# KiCad board PieBoard.kicad_pcb (continued)
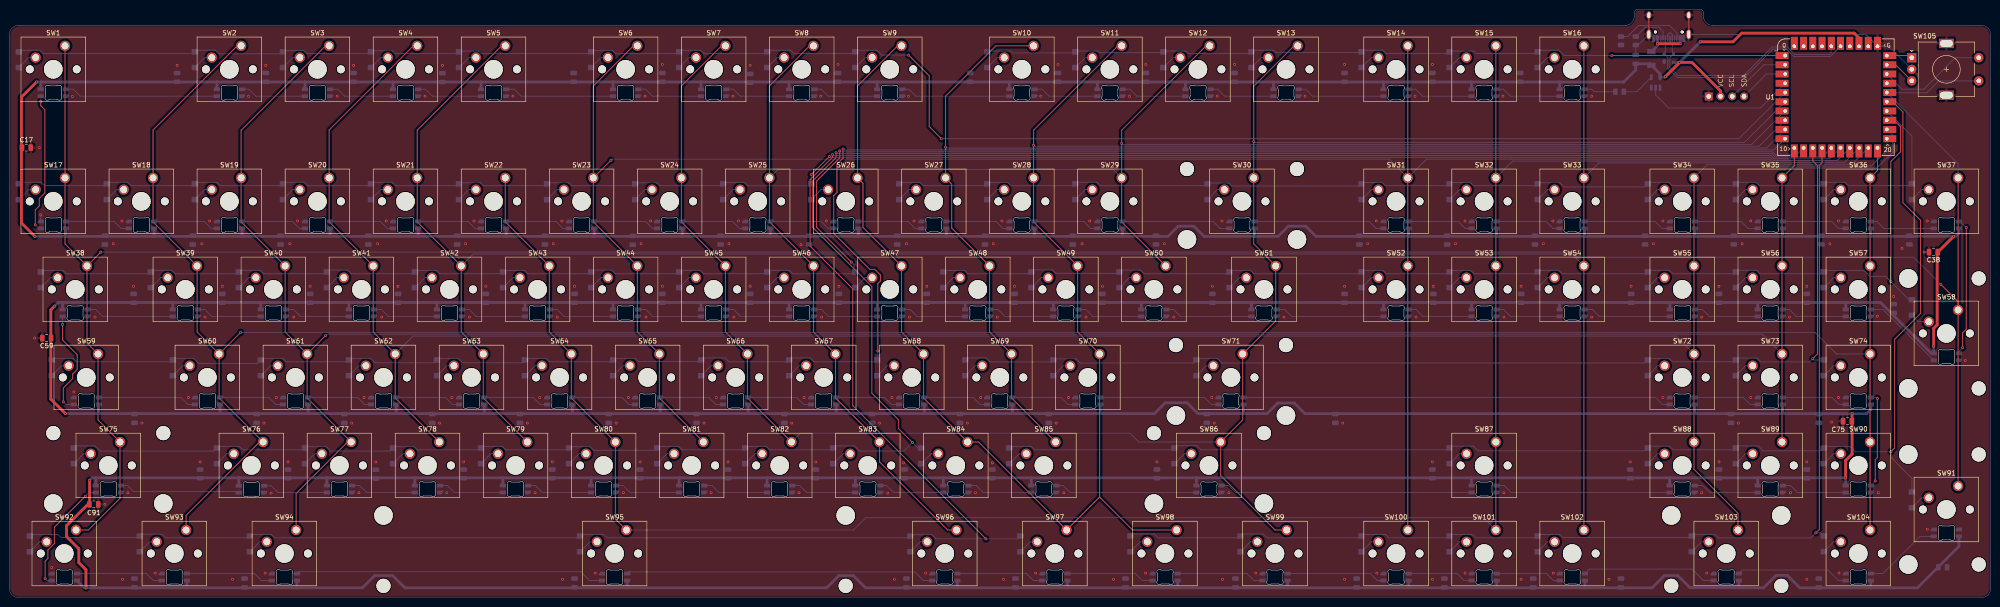
[diagram p0: board, top side]
## Routing (per net, layer and track width the routed paths; a pad name or vN(x,y) marks a point on that pad's centre or on a via; arc(x,y) is an arc through that point) (continued)
VBUS: length 9.3
  Top w0.6: v1(356.6,119.9) 356.6,119.9 v1(361.5,119.9)
  Bottom w0.6: v1(361.5,119.9) J1.A9 ; F1.1 356.6,119.5 v1(356.6,119.9) 356.6,120.98 J1.A4
CC1: length 15
  Bottom w0.2: R2.2 350.12,121.44 352.52,123.84 359.16,123.84 360.8,122.2 J1.B5
CC2: length 8.6
  Bottom w0.2: J1.A5 357.8,122.5 356.86,123.44 353.91,123.44 R1.2
COL1: length 620.6
  Top w0.2: SW37.1 SW58.1 ; SW58.1 421.64,64.06 417.91,67.79 v1(417.91,67.8) ; SW58.1 SW91.1 ; SW38.1 12.07,76.57 SW17.1 SW1.1 12.46,119.43 ; SW38.1 v1(19.82,74.8) ; SW38.1 16.83,55.14 SW59.1 19.21,38.47 SW75.1 23.97,21.54 17.09,14.66 SW92.1 14.45,15.82
  Bottom w0.2: v1(417.91,67.8) 417.9,67.8 412.02,73.68 339.37,73.68 338.25,74.8 v1(19.82,74.8) ; U1.26 421.64,93.89 SW37.1
COL2: length 574.1
  Top w0.2: SW93.1 38.26,17.82 54.14,33.7 SW76.1 45.4,43.23 SW60.1 ; U1.20 404.2,92.47 SW36.1 SW57.1 SW74.1 SW90.1 SW104.1 ; SW60.1 40.64,57.52 SW39.1 31.11,81.33 SW18.1 31.11,101.22 49.32,119.43 SW2.1 ; SW60.1 v1(50.06,57.41)
  Bottom w0.2: SW74.1 395.34,52.75 390.69,57.41 v1(50.06,57.41)
COL3: length 515.1
  Top w0.2: SW3.1 68.43,119.43 50.17,101.16 SW19.1 50.17,81.33 SW40.1 59.69,57.52 SW61.1 ; SW61.1 64.45,43.23 SW77.1 73.19,33.7 62.07,22.58 SW94.1 ; SW61.1 v1(68.4,56.71) ; SW89.1 SW73.1 SW56.1 SW35.1 386.2,93.52 U1.11
  Bottom w0.2: v1(68.4,56.71) 68.71,57.01 379.28,57.01 SW73.1
COL4: length 519.6
  Top w0.2: SW103.1 374.01,18.28 364.49,27.81 SW88.1 SW72.1 SW55.1 SW34.1 ; SW4.1 87.42,119.43 69.22,101.22 SW20.1 69.22,81.33 SW41.1 78.74,57.52 SW62.1 83.5,43.23 SW78.1
  Bottom w0.2: U1.22 407.5,100.03 407.5,96.44 404.06,93 381,93 380.3,93.7 367.33,93.7 SW34.1 ; SW62.1 87.36,56.61 360.63,56.61 SW72.1
COL5: length 524.9
  Top w0.2: SW5.1 106.53,119.43 88.27,101.16 SW21.1 88.27,81.33 SW42.1 97.79,57.52 SW63.1 102.55,43.23 SW79.1 ; SW16.1 SW33.1 SW54.1 SW102.1
  Bottom w0.2: U1.21 406.2,96.79 402.81,93.4 382.1,93.4 382.1,93.4 381.17,93.4 381.11,93.46 381.11,93.46 380.47,94.1 343.92,94.1 SW33.1 ; SW54.1 338.08,74.4 100.39,74.4 SW42.1
COL6: length 466
  Top w0.2: SW22.1 107.31,81.33 SW43.1 116.84,57.52 SW64.1 121.6,43.23 SW80.1 131.13,17.04 SW95.1 ; SW15.1 SW32.1 SW53.1 SW87.1 SW101.1
  Bottom w0.2: SW95.1 182.66,14.66 185.33,17.33 318.95,17.33 SW101.1 ; SW22.1 107.31,90.88 ; SW32.1 325.27,94.5 343.76,94.5 343.76,94.5 380.63,94.5 381.27,93.86 381.28,93.86 381.34,93.8 398.67,93.8 U1.19
COL7: length 485.2
  Top w0.2: SW14.1 SW31.1 SW52.1 SW100.1 ; SW23.1 126.37,81.33 SW44.1 135.89,57.52 SW65.1 140.65,43.23 SW81.1 ; SW23.1 v1(130.18,94.66) ; SW23.1 126.37,110.75 135.05,119.43 SW6.1
  Bottom w0.2: U1.18 397.07,94.2 381.51,94.2 381.44,94.27 381.44,94.27 380.81,94.9 325.11,94.9 325.11,94.9 306.62,94.9 SW31.1 298.53,94.9 130.41,94.9 v1(130.18,94.66)
COL8: length 436.7
  Top w0.2: SW99.1 273.86,14.66 262.1,26.42 SW86.1 266.86,38.47 SW71.1 274,59.9 SW51.1 269.24,76.57 SW30.1 v1(269.24,98.71) 269.24,110.69 277.98,119.43 SW13.1 ; SW82.1 159.7,43.23 SW66.1 154.94,57.52 SW45.1 145.41,81.33 SW24.1 145.41,110.75 154.1,119.43 SW7.1 154.99,119.38
  Bottom w0.2: SW82.1 171.12,35.6 242.47,35.6 244.37,33.7 SW86.1 ; v1(269.24,98.71) 269.44,98.51 375.38,98.51 U1.6
COL9: length 411.3
  Top w0.2: SW8.1 173.15,119.43 164.47,110.75 SW25.1 164.47,81.33 SW46.1 173.99,57.52 SW67.1 178.75,43.23 SW83.1 188.28,29.42 203.04,14.66 SW96.1 ; SW12.1 258.93,119.43 240.66,101.16 v1(240.66,98.31) SW29.1 240.66,81.33 SW50.1
  Bottom w0.2: SW25.1 166.3,92.69 238.83,92.69 SW29.1 ; U1.7 376.98,98.11 240.86,98.11 v1(240.66,98.31)
COL10: length 436
  Top w0.2: 235.9,21.8 243.05,14.66 SW98.1 ; 235.9,21.8 SW97.1 209.71,33.7 SW84.1 197.8,43.23 SW68.1 193.04,57.52 SW47.1 184.7,80.14 184.7,89.67 SW26.1 183.52,110.75 192.2,119.43 SW9.1 ; 235.9,21.8 SW70.1 231.14,57.52 SW49.1 221.62,81.33 SW28.1 v1(221.62,97.91) 221.62,101.16 239.88,119.43 SW11.1
  Bottom w0.2: v1(221.62,97.91) 221.81,97.71 378.58,97.71 U1.8
COL11: length 291.6
  Top w0.2: SW85.1 216.85,43.23 SW69.1 212.09,57.52 SW48.1 203.9,80 203.9,89.53 SW27.1 v1(202.56,97.5) 202.56,108.53 213.47,119.43 SW10.1
  Bottom w0.2: v1(202.56,97.5) 202.76,97.31 221.37,97.31 221.37,97.31 221.86,97.31 221.86,97.31 380.18,97.31 U1.9
Encoder_Push_A: length 21.8
  Bottom w0.2: U1.27 408.26,109.27 414.88,109.27 417.46,111.85 SW105.S1
Encoder_Push_B: length 24.1
  Bottom w0.2: U1.28 409.49,110.04 414.21,110.04 421.02,116.85 SW105.S2
Encoder_Rotate_A: length 5.6
  Top w0.2: SW105.A 411.12,117.33 U1.30
  Bottom w0.2: 406.68,116.85 U1.30
Encoder_Rotate_B: length 6.9
  Top w0.2: 411.08,111.33 SW105.B 408.12,115.33 U1.29
OLED_SCL: length 14.3
  Bottom w0.2: U1.2 379.61,115.33 J3.3
OLED_SDA: length 10.9
  Bottom w0.2: U1.3 380.15,113.33 J3.4
ROW1: length 405.3
  Top w0.2: v1(194.57,117.42) 199.04,112.95 199.04,101.97 v1(201.66,99.34)
  Bottom w0.2: U1.5 374.21,99.34 v1(201.66,99.34) ; v1(194.57,117.42) 188.79,117.42 187.74,118.47 183.41,118.47 182.68,117.75 169.74,117.75 169.01,118.47 164.35,118.47 163.62,117.75 150.35,117.75 149.62,118.47 145.31,118.47 144.58,117.75 131.21,117.75 130.55,118.4 126.18,118.4 125.53,117.75 102.09,117.75 101.55,118.29 97.5,118.29 96.95,117.75 83.45,117.75 82.85,118.35 78.51,118.35 77.9,117.75 64.36,117.75 63.7,118.4 59.51,118.4 58.81,117.7 45.34,117.7 44.57,118.47 40.53,118.47 39.8,117.75 7.36,117.75 6.65,118.45 2.41,118.45 2.07,118.11
ROW2: length 406.4
  Top w0.2: v1(177.44,95.5) v1(173.52,91.58)
  Bottom w0.2: v1(177.44,95.5) 177.64,95.3 380.98,95.3 381.67,94.6 395.47,94.6 U1.17 ; 2.07,89.53 2.43,89.9 6.85,89.9 7.58,89.17 20.75,89.17 21.48,89.9 25.65,89.9 26.38,89.17 39.8,89.17 40.48,89.85 44.95,89.85 45.63,89.17 58.85,89.17 59.58,89.9 63.85,89.9 64.58,89.17 77.9,89.17 78.63,89.9 82.85,89.9 83.58,89.17 96.95,89.17 97.58,89.8 101.95,89.8 102.58,89.17 116,89.17 116.63,89.8 121.05,89.8 121.68,89.17 135.05,89.17 135.68,89.8 140.1,89.8 140.73,89.17 154.1,89.17 154.78,89.85 159.1,89.85 159.8,89.15 173.13,89.15 173.52,89.53 v1(173.52,91.58)
ROW3: length 422.9
  Top w0.2: v1(182.17,72.65) 174.65,80.17 174.65,90.15 179.67,95.17 v1(179.67,96.7)
  Bottom w0.2: v1(179.67,96.7) 179.87,96.5 201.41,96.5 201.41,96.5 201.9,96.5 201.9,96.5 202.15,96.5 202.15,96.5 202.98,96.5 202.98,96.5 221.03,96.5 221.03,96.5 222.2,96.5 222.2,96.5 381.47,96.5 382.17,95.81 386.68,95.81 U1.12 ; 6.83,70.48 7.14,70.8 11.65,70.8 12.33,70.12 30.28,70.12 31,70.85 35.17,70.85 35.92,70.1 49.31,70.1 50.06,70.85 54.35,70.85 55.08,70.12 68.38,70.12 69.16,70.9 73.2,70.9 73.98,70.12 87.42,70.12 88.11,70.8 92.5,70.8 93.18,70.12 106.47,70.12 107.16,70.8 111.55,70.8 112.23,70.12 125.53,70.12 126.31,70.9 130.36,70.9 131.14,70.12 144.58,70.12 145.31,70.85 149.55,70.85 150.28,70.12 163.62,70.12 164.35,70.85 168.75,70.85 169.48,70.12 182.68,70.12 183.04,70.48 182.79,70.73 182.79,72.03 v1(182.17,72.65)
ROW4: length 441.3
  Top w0.2: v1(187.91,53.41) 187.91,67.98 188.48,68.55 188.48,69.83 187.24,71.07 186.16,71.07 178.38,78.85 178.38,87 179.08,87.7 179.08,93.83 180.4,95.15 v1(180.4,97.1)
  Bottom w0.2: v1(180.4,97.1) 180.6,96.9 201.74,96.9 201.74,96.91 202.32,96.91 202.32,96.9 202.81,96.9 202.81,96.91 221.2,96.91 221.2,96.9 222.03,96.9 222.03,96.91 381.77,96.91 U1.10 ; 9.21,51.44 9.57,51.8 13.83,51.8 14.56,51.07 35.04,51.07 35.77,51.8 39.9,51.8 41,50.7 53.72,50.7 54.82,51.8 59.2,51.8 59.93,51.07 73.14,51.07 73.87,51.8 78.2,51.8 79.15,50.85 91.97,50.85 92.92,51.8 97.15,51.8 98.1,50.85 111.02,50.85 111.92,51.75 116.2,51.75 116.88,51.07 130.29,51.07 131.02,51.8 135.45,51.8 136.1,51.15 149.42,51.15 150.17,51.9 154.87,51.9 155.7,51.07 168.39,51.07 169.22,51.9 173.32,51.9 174.15,51.07 187.44,51.07 187.91,51.54 v1(187.91,53.41)
ROW5: length 480.8
  Top w0.2: v1(195.4,33.6) 192.41,36.59 192.41,38.49 186.62,44.28 186.62,67.35 173.85,80.12 173.85,90.2 178.89,95.24 v1(178.89,96.3)
  Bottom w0.2: v1(178.89,96.3) 178.9,96.3 179.1,96.1 200.08,96.1 200.58,96.1 200.58,96.1 201.24,96.1 220.87,96.1 381.31,96.1 382.01,95.41 392.28,95.41 U1.15 ; 197.33,32.39 196.62,32.39 v1(195.4,33.6) 193.55,31.75 183.95,31.75 182.85,32.85 178.74,32.85 177.91,32.02 164.52,32.02 163.79,32.75 159.59,32.75 158.86,32.02 145.58,32.02 144.85,32.75 140.54,32.75 139.69,31.9 126.45,31.9 125.65,32.7 121.44,32.7 120.76,32.02 107.43,32.02 106.7,32.75 102.44,32.75 101.71,32.02 88.28,32.02 87.6,32.7 83.34,32.7 82.39,31.75 69.55,31.75 68.6,32.7 64.29,32.7 63.61,32.02 50.53,32.02 49.8,32.75 45.29,32.75 44.29,31.75 19.69,31.75 18.58,32.85 14.44,32.85 13.97,32.39
ROW6: length 537.8
  Top w0.2: v1(178.13,95.91) 178.13,95.33 173.26,90.46 173.26,76.09 182.49,66.86 182.49,41.56 211.3,12.75 v1(211.3,12.75)
  Bottom w0.2: 218.76,13.34 218.17,12.75 v1(211.3,12.75) 200.5,12.75 199.6,13.65 195.26,13.65 194.58,12.97 129.33,12.97 128.6,13.7 123.87,13.7 123.14,12.97 57.46,12.97 56.73,13.7 52.44,13.7 51.71,12.97 33.86,12.97 33.08,13.75 28.67,13.75 27.97,13.05 11.2,13.05 10.55,13.7 4.81,13.7 4.45,13.34 ; U1.16 393.88,95 381.84,95 381.14,95.7 178.34,95.7 v1(178.13,95.91)
ROW7: length 175.1
  Top w0.2: v1(346.72,117.33) 383.55,117.33
  Bottom w0.2: v1(346.72,117.33) 336.42,117.33 335.27,118.47 331.04,118.47 330.7,118.13 D16.1 330.68,118.11 330.31,117.75 317.4,117.75 316.86,118.29 311.79,118.29 D15.1 311.63,118.11 311.26,117.75 297.9,117.75 297.17,118.47 292.92,118.47 D14.1 292.58,118.11 292.47,118 273.95,118 273.47,118.47 269.13,118.47 268.4,117.75 255.1,117.75 254.56,118.29 249.9,118.29 249.55,117.95 235.9,117.95 235.56,118.29 230.85,118.29 230.46,117.9 217.05,117.9 216.66,118.29 211.8,118.29 211.62,118.11
ROW8: length 243.1
  Bottom w0.2: D37.1 411.64,99.89 U1.24 ; 192.56,89.53 192.88,89.85 197.1,89.85 197.78,89.17 211.25,89.17 211.93,89.85 216.05,89.85 216.73,89.17 230.3,89.17 231.03,89.9 235.3,89.9 236.03,89.17 258.88,89.17 259.45,89.75 263.85,89.75 264.5,89.1 292.14,89.1 292.89,89.85 297,89.85 297.68,89.17 311.26,89.17 311.94,89.85 316.09,89.85 316.77,89.17 330.31,89.17 330.94,89.8 335.5,89.8 336.4,88.9 353.85,88.9 354.85,89.9 359.05,89.9 359.78,89.17 373.17,89.17 373.9,89.9 377.95,89.9 378.68,89.17 392.22,89.17 392.95,89.9 397.2,89.9 397.93,89.17 411.27,89.17 411.64,89.53
ROW9: length 254.9
  Top w0.2: U1.23 407.78,103.33 409.18,101.93 409.18,96.51 407.09,94.42 v1(407.09,68.41)
  Bottom w0.2: 411.65,64.48 411.02,64.48 v1(407.09,68.41) 405.95,69.55 402.55,69.55 401.3,70.8 392.9,70.8 392.22,70.12 378.78,70.12 378.05,70.85 373.9,70.85 373.17,70.12 359.93,70.12 359.2,70.85 354.85,70.85 354.12,70.12 335.98,70.12 335.25,70.85 331.04,70.85 330.31,70.12 316.88,70.12 316.2,70.8 311.94,70.8 311.26,70.12 297.93,70.12 297.25,70.8 292.89,70.8 292.21,70.12 269.28,70.12 268.6,70.8 264.32,70.8 263.64,70.12 245.53,70.12 244.75,70.9 240.6,70.9 239.91,70.2 226.45,70.2 225.7,70.95 221.6,70.95 220.78,70.12 207.43,70.12 206.75,70.8 202.41,70.8 202.09,70.48
ROW10: length 235.4
  Top w0.2: v1(390.2,51.75) 391.2,52.75 391.2,93.53 390.2,94.53 U1.13
  Bottom w0.2: 206.85,51.44 207.32,51.9 211.35,51.9 212.2,51.05 225.52,51.05 226.17,51.7 230.8,51.7 231.7,50.8 256.22,50.8 257.22,51.8 261.4,51.8 262.4,50.8 353.85,50.8 354.85,51.8 359.1,51.8 359.83,51.07 373.17,51.07 373.95,51.85 378.15,51.85 378.95,51.05 389.5,51.05 v1(390.2,51.75) 390.2,51.65 390.41,51.44 392.59,51.44
ROW11: length 287.2
  Top w0.2: v1(407.1,31.6) 407.9,32.4 407.9,55.92 413.5,61.53 413.5,81.7 409.69,85.51 409.69,105.14 407.5,107.33 U1.25
  Bottom w0.2: 216.38,32.39 216.74,32.75 221.15,32.75 221.88,32.02 251.73,32.02 252.61,32.9 256.95,32.9 257.83,32.02 311.26,32.02 312.04,32.8 316.75,32.8 317.75,31.8 353.9,31.8 354.9,32.8 359.2,32.8 359.98,32.02 373.17,32.02 374,32.85 378.4,32.85 379.45,31.8 392,31.8 392.95,32.75 398.2,32.75 399.35,31.6 v1(407.1,31.6) 407.1,30.4 411.64,25.86 411.64,22.86
ROW12: length 237.6
  Top w0.2: v1(390.85,14.05) 390.9,14.05 391.61,14.76 391.61,93.55 392.2,94.15 U1.14
  Bottom w0.2: 242.57,13.34 243.04,13.8 247.75,13.8 248.58,12.97 266.02,12.97 266.85,13.8 271.32,13.8 272.15,12.97 292.21,12.97 292.94,13.7 297.7,13.7 298.43,12.97 311.26,12.97 311.99,13.7 316.6,13.7 317.33,12.97 330.31,12.97 331.04,13.7 335.5,13.7 336.15,13.05 363.73,13.05 364.38,13.7 369.05,13.7 369.8,12.95 389.75,12.95 v1(390.85,14.05) 391.88,14.05 392.59,13.34
USB_D+: length 50.1
  Bottom w0.2: U1.36 394.2,117.97 393.8,117.56 386.27,117.56 384.65,119.19 381.42,119.19 375.24,113 361.04,113 359.26,114.78 359.26,116.91 360.04,117.69 D105.3 359.8,117.98 J1.B6 359.8,121.9 359.49,122.2 359.11,122.2 358.8,121.88 J1.A6
USB_D-: length 51.4
  Bottom w0.2: U1.35 393.98,117.12 386.09,117.12 384.47,118.73 381.6,118.73 375.42,112.56 360.86,112.56 358.81,114.6 358.81,116.91 358.04,117.69 D105.2 358.3,118 J1.B7 358.3,120.98 ; J1.A7 359.3,120.98 359.3,120.08 358.98,119.76 358.6,119.76 358.3,120.07
Net-(D1-A): length 4.5
  Bottom w0.2: SW1.2 4.2,116.89 2.07,114.75
Net-(D2-A): length 4.5
  Bottom w0.2: 40.17,114.75 42.31,116.89 SW2.2
Net-(D3-A): length 4.5
  Bottom w0.2: 59.22,114.75 61.36,116.89 SW3.2
Net-(D4-A): length 4.5
  Bottom w0.2: SW4.2 80.41,116.89 78.27,114.75
Net-(D5-A): length 4.5
  Bottom w0.2: SW5.2 99.45,116.89 97.31,114.75
Net-(D6-A): length 4.5
  Bottom w0.2: SW6.2 128.03,116.89 125.89,114.75
Net-(D7-A): length 4.5
  Bottom w0.2: 144.94,114.75 147.08,116.89 SW7.2
Net-(D8-A): length 4.5
  Bottom w0.2: 163.99,114.75 166.13,116.89 SW8.2
Net-(D9-A): length 4.5
  Bottom w0.2: SW9.2 185.18,116.89 183.04,114.75
Net-(D10-A): length 4.5
  Bottom w0.2: 211.62,114.75 213.75,116.89 SW10.2
Net-(D11-A): length 4.5
  Bottom w0.2: SW11.2 232.8,116.89 230.66,114.75
Net-(D12-A): length 4.5
  Bottom w0.2: 249.72,114.75 251.85,116.89 SW12.2
Net-(D13-A): length 4.5
  Bottom w0.2: 268.76,114.75 270.9,116.89 SW13.2
Net-(D14-A): length 4.5
  Bottom w0.2: 292.58,114.75 294.72,116.89 SW14.2
Net-(D15-A): length 4.5
  Bottom w0.2: SW15.2 313.77,116.89 311.63,114.75
Net-(D16-A): length 4.6
  Bottom w0.2: SW16.2 332.82,116.89 330.68,114.75 D16.2
Net-(D17-A): length 4.5
  Bottom w0.2: SW17.2 4.2,88.31 2.07,86.17
Net-(D18-A): length 4.5
  Bottom w0.2: 21.11,86.17 23.25,88.31 SW18.2
Net-(D19-A): length 4.5
  Bottom w0.2: SW19.2 42.31,88.31 40.17,86.17
Net-(D20-A): length 4.5
  Bottom w0.2: SW20.2 61.36,88.31 59.22,86.17
Net-(D21-A): length 4.5
  Bottom w0.2: 78.27,86.17 80.41,88.31 SW21.2
Net-(D22-A): length 4.5
  Bottom w0.2: 97.31,86.17 99.45,88.31 SW22.2
Net-(D23-A): length 4.5
  Bottom w0.2: 116.37,86.17 118.5,88.31 SW23.2
Net-(D24-A): length 4.5
  Bottom w0.2: SW24.2 137.56,88.31 135.41,86.17
Net-(D25-A): length 4.5
  Bottom w0.2: SW25.2 156.6,88.31 154.47,86.17
Net-(D26-A): length 4.5
  Bottom w0.2: 173.52,86.17 175.66,88.31 SW26.2
Net-(D27-A): length 4.5
  Bottom w0.2: SW27.2 194.71,88.31 192.56,86.17
Net-(D28-A): length 4.5
  Bottom w0.2: SW28.2 213.75,88.31 211.62,86.17
Net-(D29-A): length 4.5
  Bottom w0.2: SW29.2 232.8,88.31 230.66,86.17
Net-(D30-A): length 4.5
  Bottom w0.2: 259.24,86.17 261.38,88.31 SW30.2
Net-(D31-A): length 4.5
  Bottom w0.2: SW31.2 294.72,88.31 292.58,86.17
Net-(D32-A): length 4.5
  Bottom w0.2: SW32.2 313.77,88.31 311.63,86.17
Net-(D33-A): length 4.5
  Bottom w0.2: 330.68,86.17 332.82,88.31 SW33.2
Net-(D34-A): length 4.5
  Bottom w0.2: 358.14,88.31 356.63,88.31 354.49,86.17
Net-(D35-A): length 4.8
  Bottom w0.2: 373.54,86.17 375.68,88.31 SW35.2 377.38,88.13
Net-(D36-A): length 4.5
  Bottom w0.2: SW36.2 394.73,88.31 392.59,86.17
Net-(D37-A): length 4.5
  Bottom w0.2: 411.64,86.17 413.78,88.31 SW37.2
Net-(D38-A): length 4.5
  Bottom w0.2: SW38.2 8.97,69.27 6.83,67.12
Net-(D39-A): length 4.5
  Bottom w0.2: 30.64,67.12 32.78,69.27 SW39.2
Net-(D40-A): length 4.5
  Bottom w0.2: SW40.2 51.83,69.27 49.69,67.12
Net-(D41-A): length 4.5
  Bottom w0.2: 68.74,67.12 70.88,69.27 72.39,69.27
Net-(D42-A): length 4.5
  Bottom w0.2: 87.79,67.12 89.93,69.27 SW42.2
Net-(D43-A): length 4.5
  Bottom w0.2: 106.84,67.12 108.98,69.27 SW43.2
Net-(D44-A): length 4.5
  Bottom w0.2: SW44.2 128.03,69.27 125.89,67.12
Net-(D45-A): length 4.5
  Bottom w0.2: SW45.2 147.08,69.27 144.94,67.12
Net-(D46-A): length 4.5
  Bottom w0.2: SW46.2 166.13,69.27 163.99,67.12
Net-(D47-A): length 4.5
  Bottom w0.2: SW47.2 185.18,69.27 183.04,67.12
Net-(D48-A): length 4.5
  Bottom w0.2: SW48.2 204.23,69.27 202.09,67.12
Net-(D49-A): length 4.5
  Bottom w0.2: 221.14,67.12 223.28,69.27 224.79,69.27
Net-(D50-A): length 4.5
  Bottom w0.2: 240.19,67.12 242.33,69.27 SW50.2
Net-(D51-A): length 4.5
  Bottom w0.2: SW51.2 266.14,69.27 264,67.12
Net-(D52-A): length 4.5
  Bottom w0.2: SW52.2 294.72,69.27 292.58,67.12
Net-(D53-A): length 4.5
  Bottom w0.2: SW53.2 313.77,69.27 311.63,67.12
Net-(D54-A): length 4.5
  Bottom w0.2: 330.68,67.12 332.82,69.27 SW54.2
Net-(D55-A): length 4.5
  Bottom w0.2: 354.49,67.12 356.63,69.27 358.14,69.27
Net-(D56-A): length 4.5
  Bottom w0.2: 373.54,67.12 375.68,69.27 SW56.2
Net-(D57-A): length 4.5
  Bottom w0.2: 392.59,67.12 394.73,69.27 SW57.2
Net-(D58-A): length 4.2
  Bottom w0.2: SW58.2 413.03,59.74 411.65,61.12
Net-(D59-A): length 4.5
  Bottom w0.2: 9.21,48.08 11.35,50.22 SW59.2
Net-(D60-A): length 4.5
  Bottom w0.2: SW60.2 37.54,50.22 35.4,48.08
Net-(D61-A): length 4.5
  Bottom w0.2: SW61.2 56.59,50.22 54.45,48.08
Net-(D62-A): length 4.5
  Bottom w0.2: 73.5,48.08 75.64,50.22 SW62.2
Net-(D63-A): length 4.5
  Bottom w0.2: 92.55,48.08 94.69,50.22 SW63.2
Net-(D64-A): length 4.5
  Bottom w0.2: 111.6,48.08 113.74,50.22 SW64.2
Net-(D65-A): length 4.5
  Bottom w0.2: SW65.2 132.79,50.22 130.65,48.08
Net-(D66-A): length 4.5
  Bottom w0.2: 149.7,48.08 151.84,50.22 SW66.2
Net-(D67-A): length 4.5
  Bottom w0.2: SW67.2 170.89,50.22 168.75,48.08
Net-(D68-A): length 4.5
  Bottom w0.2: SW68.2 189.94,50.22 187.8,48.08
Net-(D69-A): length 4.5
  Bottom w0.2: SW69.2 208.99,50.22 206.85,48.08
Net-(D70-A): length 4.5
  Bottom w0.2: 225.9,48.08 228.04,50.22 SW70.2
Net-(D71-A): length 4.5
  Bottom w0.2: SW71.2 259,50.22 256.86,48.08
Net-(D72-A): length 4.5
  Bottom w0.2: 354.49,48.08 356.63,50.22 358.14,50.22
Net-(D73-A): length 4.5
  Bottom w0.2: 373.54,48.08 375.68,50.22 SW73.2
Net-(D74-A): length 5.4
  Top w0.2: 396.88,49.58 SW74.2
  Bottom w0.2: SW74.2 394.73,50.22 392.59,48.08
Net-(D75-A): length 4.5
  Bottom w0.2: 13.97,29.03 16.11,31.17 17.62,31.17
Net-(D76-A): length 4.5
  Bottom w0.2: 48.58,31.17 47.07,31.17 44.93,29.03
Net-(D77-A): length 4.5
  Bottom w0.2: 63.98,29.03 66.12,31.17 67.63,31.17
Net-(D78-A): length 4.5
  Bottom w0.2: 83.03,29.03 85.17,31.17 86.68,31.17
Net-(D79-A): length 4.5
  Bottom w0.2: 105.73,31.17 104.22,31.17 102.08,29.03
Net-(D80-A): length 4.5
  Bottom w0.2: 121.13,29.03 123.27,31.17 124.78,31.17
Net-(D81-A): length 4.5
  Bottom w0.2: 143.83,31.17 142.32,31.17 140.18,29.03
Net-(D82-A): length 4.5
  Bottom w0.2: 162.88,31.17 161.37,31.17 159.23,29.03
Net-(D83-A): length 4.5
  Bottom w0.2: 181.93,31.17 180.42,31.17 178.28,29.03
Net-(D84-A): length 4.5
  Bottom w0.2: 197.33,29.03 199.47,31.17 200.98,31.17
Net-(D85-A): length 4.5
  Bottom w0.2: 216.38,29.03 218.52,31.17 220.03,31.17
Net-(D86-A): length 4.5
  Bottom w0.2: 255.75,31.17 254.24,31.17 252.1,29.03
Net-(D87-A): length 4.5
  Bottom w0.2: 315.28,31.17 313.77,31.17 311.63,29.03
Net-(D88-A): length 4.5
  Bottom w0.2: 358.14,31.17 356.63,31.17 354.49,29.03
Net-(D89-A): length 4.5
  Bottom w0.2: 373.54,29.03 375.68,31.17 377.19,31.17
Net-(D90-A): length 4.5
  Bottom w0.2: 396.24,31.17 394.73,31.17 392.59,29.03
Net-(D91-A): length 4.5
  Bottom w0.2: SW91.2 413.78,21.64 411.64,19.5
Net-(D92-A): length 4.5
  Bottom w0.2: SW92.2 6.59,12.12 4.45,9.97
Net-(D93-A): length 4.5
  Bottom w0.2: SW93.2 30.4,12.12 28.26,9.97
Net-(D94-A): length 4.5
  Bottom w0.2: SW94.2 54.21,12.12 52.07,9.97
Net-(D95-A): length 4.5
  Bottom w0.2: 123.51,9.97 125.65,12.12 SW95.2
Net-(D96-A): length 4.5
  Bottom w0.2: SW96.2 197.09,12.12 194.95,9.97
Net-(D97-A): length 4.5
  Bottom w0.2: SW97.2 220.9,12.12 218.76,9.97
Net-(D98-A): length 4.5
  Bottom w0.2: 242.57,9.97 244.71,12.12 SW98.2
Net-(D99-A): length 4.5
  Bottom w0.2: 266.38,9.97 268.52,12.12 SW99.2
Net-(D100-A): length 4.5
  Bottom w0.2: 292.58,9.97 294.72,12.12 SW100.2
Net-(D101-A): length 4.5
  Bottom w0.2: SW101.2 313.77,12.12 311.63,9.97
Net-(D102-A): length 4.5
  Bottom w0.2: SW102.2 332.82,12.12 330.68,9.97
Net-(D103-A): length 4.5
  Bottom w0.2: 364.01,9.97 366.15,12.12 SW103.2
Net-(D104-A): length 4.5
  Bottom w0.2: SW104.2 394.73,12.12 392.59,9.97
Net-(LED1-DOUT): length 14.2
  Bottom w0.2: LED1.2 324.76,108.53 323.26,110.03 LED2.4
Net-(LED2-DOUT): length 14.2
  Bottom w0.2: LED3.4 304.26,110.03 305.76,108.53 LED2.2
Net-(LED3-DOUT): length 19
  Bottom w0.2: LED4.4 280.46,110.03 281.96,108.53 LED3.2
Net-(LED4-DOUT): length 14.2
  Bottom w0.2: LED5.4 261.46,110.03 262.96,108.53 LED4.2
Net-(LED5-DOUT): length 14.2
  Bottom w0.2: LED5.2 243.97,108.53 242.47,110.03 LED6.4
Net-(LED6-DOUT): length 14.2
  Bottom w0.2: LED6.2 224.97,108.53 223.47,110.03 LED7.4
Net-(LED7-DOUT): length 23.8
  Bottom w0.2: LED8.4 194.67,110.03 196.16,108.53 LED7.2
Net-(LED8-DOUT): length 14.2
  Bottom w0.2: LED9.4 175.67,110.03 177.17,108.53 LED8.2
Net-(LED10-DIN): length 14.2
  Bottom w0.2: LED9.2 158.17,108.53 156.66,110.03 LED10.4
Net-(LED10-DOUT): length 14.2
  Bottom w0.2: LED11.4 137.67,110.03 139.16,108.53 LED10.2
Net-(LED11-DOUT): length 23.7
  Bottom w0.2: LED11.2 110.77,108.53 109.27,110.03 LED12.4
Net-(LED12-DOUT): length 14.2
  Bottom w0.2: LED13.4 90.07,110.03 91.56,108.53 LED12.2
Net-(LED13-DOUT): length 14.2
  Bottom w0.2: LED14.4 71.07,110.03 72.57,108.53 LED13.2
Net-(LED14-DOUT): length 14.2
  Bottom w0.2: LED14.2 53.37,108.53 51.87,110.03 LED15.4
Net-(LED15-DOUT): length 33.3
  Bottom w0.2: LED15.2 15.36,108.53 13.86,110.03 LED16.4
Net-(LED16-DOUT): length 30.6
  Top w0.2: v1(5.64,80.68) 5.64,83.94 6.5,84.8 6.5,86.4 7.7,87.6 7.7,105.59 6.82,106.48 v1(6.82,107.4)
  Bottom w0.2: v1(6.82,107.4) LED16.2 ; v1(5.64,80.68) 6.39,79.93 LED17.4
Net-(LED17-DOUT): length 14.2
  Bottom w0.2: LED18.4 24.17,79.93 22.67,81.43 LED17.2
Net-(LED18-DOUT): length 14.2
  Bottom w0.2: LED18.2 42.17,81.43 43.67,79.93 LED19.4
Net-(LED19-DOUT): length 14.2
  Bottom w0.2: LED19.2 61.27,81.43 62.77,79.93 LED20.4
Net-(LED20-DOUT): length 14.2
  Bottom w0.2: LED21.4 81.77,79.93 80.27,81.43 LED20.2
Net-(LED21-DOUT): length 14.2
  Bottom w0.2: LED22.4 100.77,79.93 99.27,81.43 LED21.2
Net-(LED22-DOUT): length 14.2
  Bottom w0.2: LED22.2 118.27,81.43 119.77,79.93 LED23.4
Net-(LED23-DOUT): length 14.2
  Bottom w0.2: LED24.4 139.17,79.93 137.67,81.43 LED23.2
Net-(LED24-DOUT): length 14.2
  Bottom w0.2: LED25.4 157.97,79.93 156.47,81.43 LED24.2
Net-(LED25-DOUT): length 14.2
  Bottom w0.2: LED25.2 175.67,81.43 177.17,79.93 LED26.4
Net-(LED26-DOUT): length 14.2
  Bottom w0.2: LED26.2 194.47,81.43 195.97,79.93 LED27.4
Net-(LED27-DOUT): length 14.2
  Bottom w0.2: LED27.2 213.47,81.43 214.97,79.93 LED28.4
Net-(LED28-DOUT): length 14.2
  Bottom w0.2: LED29.4 233.97,79.93 232.47,81.43 LED28.2
Net-(LED29-DOUT): length 23.7
  Bottom w0.2: LED29.2 260.45,81.43 261.95,79.93 LED30.4
Net-(LED30-DOUT): length 28.5
  Bottom w0.2: LED31.4 295.73,79.93 294.23,81.43 LED30.2
Net-(LED31-DOUT): length 14.2
  Bottom w0.2: LED31.2 313.47,81.43 314.97,79.93 LED32.4
Net-(LED32-DOUT): length 14.2
  Bottom w0.2: LED32.2 332.47,81.43 333.97,79.93 LED33.4
Net-(LED33-DOUT): length 19
  Bottom w0.2: LED34.4 357.57,79.93 356.07,81.43 LED33.2
Net-(LED34-DOUT): length 14.2
  Bottom w0.2: LED34.2 374.67,81.43 376.17,79.93 LED35.4
Net-(LED35-DOUT): length 14.2
  Bottom w0.2: LED35.2 394.27,81.43 395.77,79.93 LED36.4
Net-(LED36-DOUT): length 14.2
  Bottom w0.2: LED36.2 404.06,81.43 405.56,79.93 LED37.4
Net-(LED37-DOUT): length 30
  Top w0.2: v1(422.6,54.1) 422.6,57.32 423.4,58.12 v1(423.4,80.1)
  Bottom w0.2: v1(422.6,54.1) 421.82,53.32 LED38.4 ; LED37.2 422.07,81.43 v1(423.4,80.1)
Net-(LED38-DOUT): length 18.2
  Bottom w0.2: LED38.2 405.37,62.38 LED39.4
Net-(LED39-DOUT): length 14.2
  Bottom w0.2: LED39.2 386.61,60.88 385.11,62.38 LED40.4
Net-(LED40-DOUT): length 14.2
  Bottom w0.2: LED40.2 367.81,60.88 366.31,62.38 LED41.4
Net-(LED41-DOUT): length 19
  Bottom w0.2: LED41.2 344.01,60.88 342.51,62.38 LED42.4
Net-(LED42-DOUT): length 14.2
  Bottom w0.2: LED43.4 323.31,62.38 324.81,60.88 LED42.2
Net-(LED43-DOUT): length 14.2
  Bottom w0.2: LED43.2 305.81,60.88 304.31,62.38 LED44.4
Net-(LED44-DOUT): length 23.7
  Bottom w0.2: LED44.2 277.41,60.88 275.92,62.38 LED45.4
Net-(LED45-DOUT): length 19
  Bottom w0.2: LED46.4 251.91,62.38 253.42,60.88 LED45.2
Net-(LED46-DOUT): length 14.2
  Bottom w0.2: LED47.4 232.91,62.38 234.41,60.88 LED46.2
Net-(LED47-DOUT): length 14.2
  Bottom w0.2: LED48.4 213.91,62.38 215.41,60.88 LED47.2
Net-(LED48-DOUT): length 14.2
  Bottom w0.2: LED49.4 194.91,62.38 196.41,60.88 LED48.2
Net-(LED49-DOUT): length 14.2
  Bottom w0.2: LED50.4 175.72,62.38 177.22,60.88 LED49.2
Net-(LED50-DOUT): length 14.2
  Bottom w0.2: LED51.4 156.72,62.38 158.22,60.88 LED50.2
Net-(LED51-DOUT): length 14.2
  Bottom w0.2: LED51.2 139.22,60.88 137.72,62.38 LED52.4
Net-(LED52-DOUT): length 14.2
  Bottom w0.2: LED53.4 118.52,62.38 120.02,60.88 LED52.2
Net-(LED53-DOUT): length 14.2
  Bottom w0.2: LED54.4 99.52,62.38 101.02,60.88 LED53.2
Net-(LED54-DOUT): length 14.2
  Bottom w0.2: LED55.4 80.52,62.38 82.02,60.88 LED54.2
Net-(LED55-DOUT): length 14.2
  Bottom w0.2: LED55.2 63.02,60.88 61.52,62.38 LED56.4
Net-(LED56-DOUT): length 14.2
  Bottom w0.2: LED57.4 42.31,62.38 43.81,60.88 LED56.2
Net-(LED57-DOUT): length 19
  Bottom w0.2: LED57.2 20.21,60.88 18.71,62.38 LED58.4
Net-(LED58-DOUT): length 23.5
  Top w0.2: v1(11.54,59.16) 11.54,55.76 14.7,52.6 14.7,49.4 13.7,48.4 13.7,47.4 11.7,45.4 v1(11.7,42.4)
  Bottom w0.2: v1(11.7,42.4) 12.27,41.83 LED59.4 ; v1(11.54,59.16) 11.54,60.88
Net-(LED59-DOUT): length 21.4
  Bottom w0.2: 19.39,43.33 37.17,43.33 38.67,41.83 LED60.4
Net-(LED60-DOUT): length 14.2
  Bottom w0.2: LED61.4 57.67,41.83 56.17,43.33 LED60.2
Net-(LED61-DOUT): length 14.2
  Bottom w0.2: LED61.2 75.37,43.33 76.87,41.83 LED62.4
Net-(LED62-DOUT): length 14.2
  Bottom w0.2: LED62.2 94.37,43.33 95.87,41.83 LED63.4
Net-(LED63-DOUT): length 14.2
  Bottom w0.2: LED64.4 114.87,41.83 113.37,43.33 LED63.2
Net-(LED64-DOUT): length 14.2
  Bottom w0.2: LED64.2 132.57,43.33 134.07,41.83 LED65.4
Net-(LED65-DOUT): length 14.2
  Bottom w0.2: LED65.2 151.37,43.33 152.87,41.83 LED66.4
Net-(LED66-DOUT): length 14.2
  Bottom w0.2: LED67.4 171.87,41.83 170.37,43.33 LED66.2
Net-(LED67-DOUT): length 14.2
  Bottom w0.2: LED68.4 190.87,41.83 189.37,43.33 LED67.2
Net-(LED68-DOUT): length 14.2
  Bottom w0.2: LED69.4 210.07,41.83 208.57,43.33 LED68.2
Net-(LED69-DOUT): length 14.2
  Bottom w0.2: LED69.2 227.57,43.33 229.07,41.83 LED70.4
Net-(LED70-DOUT): length 26.1
  Bottom w0.2: LED70.2 258.57,43.33 260.07,41.83 LED71.4
Net-(LED71-DOUT): length 92.8
  Bottom w0.2: LED71.2 356.17,43.33 357.67,41.83 LED72.4
Net-(LED72-DOUT): length 14.2
  Bottom w0.2: LED73.4 376.67,41.83 375.17,43.33 LED72.2
Net-(LED73-DOUT): length 14.2
  Bottom w0.2: LED73.2 394.37,43.33 395.87,41.83 LED74.4
Net-(LED74-DOUT): length 20.9
  Top w0.2: v1(404.16,43.13) 404.16,30.33 403.71,29.88 v1(403.71,25.28)
  Bottom w0.2: v1(404.16,43.13) 403.96,43.33 LED74.2 ; v1(403.71,25.28) 403.71,25.23 LED75.4
Net-(LED75-DOUT): length 14.2
  Bottom w0.2: LED75.2 386.91,22.78 385.41,24.28 LED76.4
Net-(LED76-DOUT): length 14.2
  Bottom w0.2: LED76.2 367.91,22.78 366.41,24.28 LED77.4
Net-(LED77-DOUT): length 38
  Bottom w0.2: LED77.2 324.91,22.78 323.41,24.28 LED78.4
Net-(LED78-DOUT): length 54.7
  Bottom w0.2: LED78.2 265.32,22.78 263.82,24.28 LED79.4
Net-(LED79-DOUT): length 30.9
  Bottom w0.2: LED79.2 229.52,22.78 228.02,24.28 LED80.4
Net-(LED80-DOUT): length 14.2
  Bottom w0.2: LED81.4 209.22,24.28 210.72,22.78 LED80.2
Net-(LED81-DOUT): length 14.2
  Bottom w0.2: LED82.4 189.81,24.28 191.32,22.78 LED81.2
Net-(LED82-DOUT): length 14.3
  Bottom w0.2: LED82.2 172.52,22.78 171.02,24.28 LED83.4
Net-(LED83-DOUT): length 14.2
  Bottom w0.2: LED84.4 152.02,24.28 153.52,22.78 LED83.2
Net-(LED84-DOUT): length 14.2
  Bottom w0.2: LED85.4 132.81,24.28 134.31,22.78 LED84.2
Net-(LED85-DOUT): length 14.3
  Bottom w0.2: LED86.4 113.82,24.28 115.31,22.78 LED85.2
Net-(LED86-DOUT): length 14.2
  Bottom w0.2: LED87.4 94.82,24.28 96.32,22.78 LED86.2
Net-(LED87-DOUT): length 14.2
  Bottom w0.2: LED87.2 77.32,22.78 75.81,24.28 LED88.4
Net-(LED88-DOUT): length 14.2
  Bottom w0.2: LED89.4 56.67,24.23 58.12,22.78 LED88.2
Net-(LED89-DOUT): length 26.1
  Bottom w0.2: LED89.2 49.4,23 26.9,23 25.62,24.28 LED90.4
Net-(LED90-DOUT): length 25.6
  Top w0.2: v1(16.44,21.96) 9.76,15.28 9.76,11.73 8.36,10.33 8.36,8.53 7.76,7.93 v1(7.76,4.13)
  Bottom w0.2: v1(7.76,4.13) 8.17,3.73 LED91.4 ; LED90.2 17.26,22.78 v1(16.44,21.96)
Net-(LED91-DOUT): length 19
  Bottom w0.2: LED91.2 29.67,5.23 31.17,3.73 LED92.4
Net-(LED92-DOUT): length 19
  Bottom w0.2: LED92.2 53.07,5.23 54.57,3.73 LED93.4
Net-(LED93-DOUT): length 67
  Bottom w0.2: LED94.4 125.57,3.73 123.66,5.64 62.65,5.64 62.24,5.23
Net-(LED94-DOUT): length 66.9
  Bottom w0.2: LED95.4 197.77,3.73 195.9,5.6 134.06,5.6 LED94.2
Net-(LED95-DOUT): length 19
  Bottom w0.2: LED96.4 221.57,3.73 220.07,5.23 205.14,5.23
Net-(LED96-DOUT): length 19
  Bottom w0.2: LED97.4 245.17,3.73 243.67,5.23 LED96.2
Net-(LED97-DOUT): length 18.9
  Bottom w0.2: LED98.4 269.27,3.73 267.77,5.23 252.79,5.23
Net-(LED98-DOUT): length 21.4
  Bottom w0.2: LED99.4 295.97,3.73 294.47,5.23 LED98.2
Net-(LED100-DIN): length 14.2
  Bottom w0.2: LED100.4 314.77,3.73 313.27,5.23 LED99.2
Net-(LED100-DOUT): length 14.2
  Bottom w0.2: LED100.2 332.57,5.23 334.07,3.73 335.44,3.73
Net-(LED101-DOUT): length 29.3
  Bottom w0.2: LED101.2 341.86,6.2 364.05,6.2 366.52,3.73 LED102.4
Net-(LED102-DOUT): length 24.4
  Bottom w0.2: LED102.2 374.96,6 393.5,6 395.77,3.73 LED103.4
Net-(LED103-DOUT): length 16.9
  Bottom w0.2: LED104.4 413.38,13.28 405.33,5.23 LED103.2
Net-(U2-Y): length 7.2
  Bottom w0.2: U2.4 355.25,112.63 352.12,109.5 R3.2

## Copper pours and planes (outline as drawn; the poured copper is in the pictures)
GND on Top, Bottom: 352.07,130.43 365.88,130.4 368.22,125.38 430.89,125.1 430.85,-1.84 -2.38,-1.96 -1.72,125.25 349.64,125.18

## Text on the board
F.Silkscreen: VCC | SCL | SDA | SW36
